# KiCad board adatv2.kicad_pcb (continued)
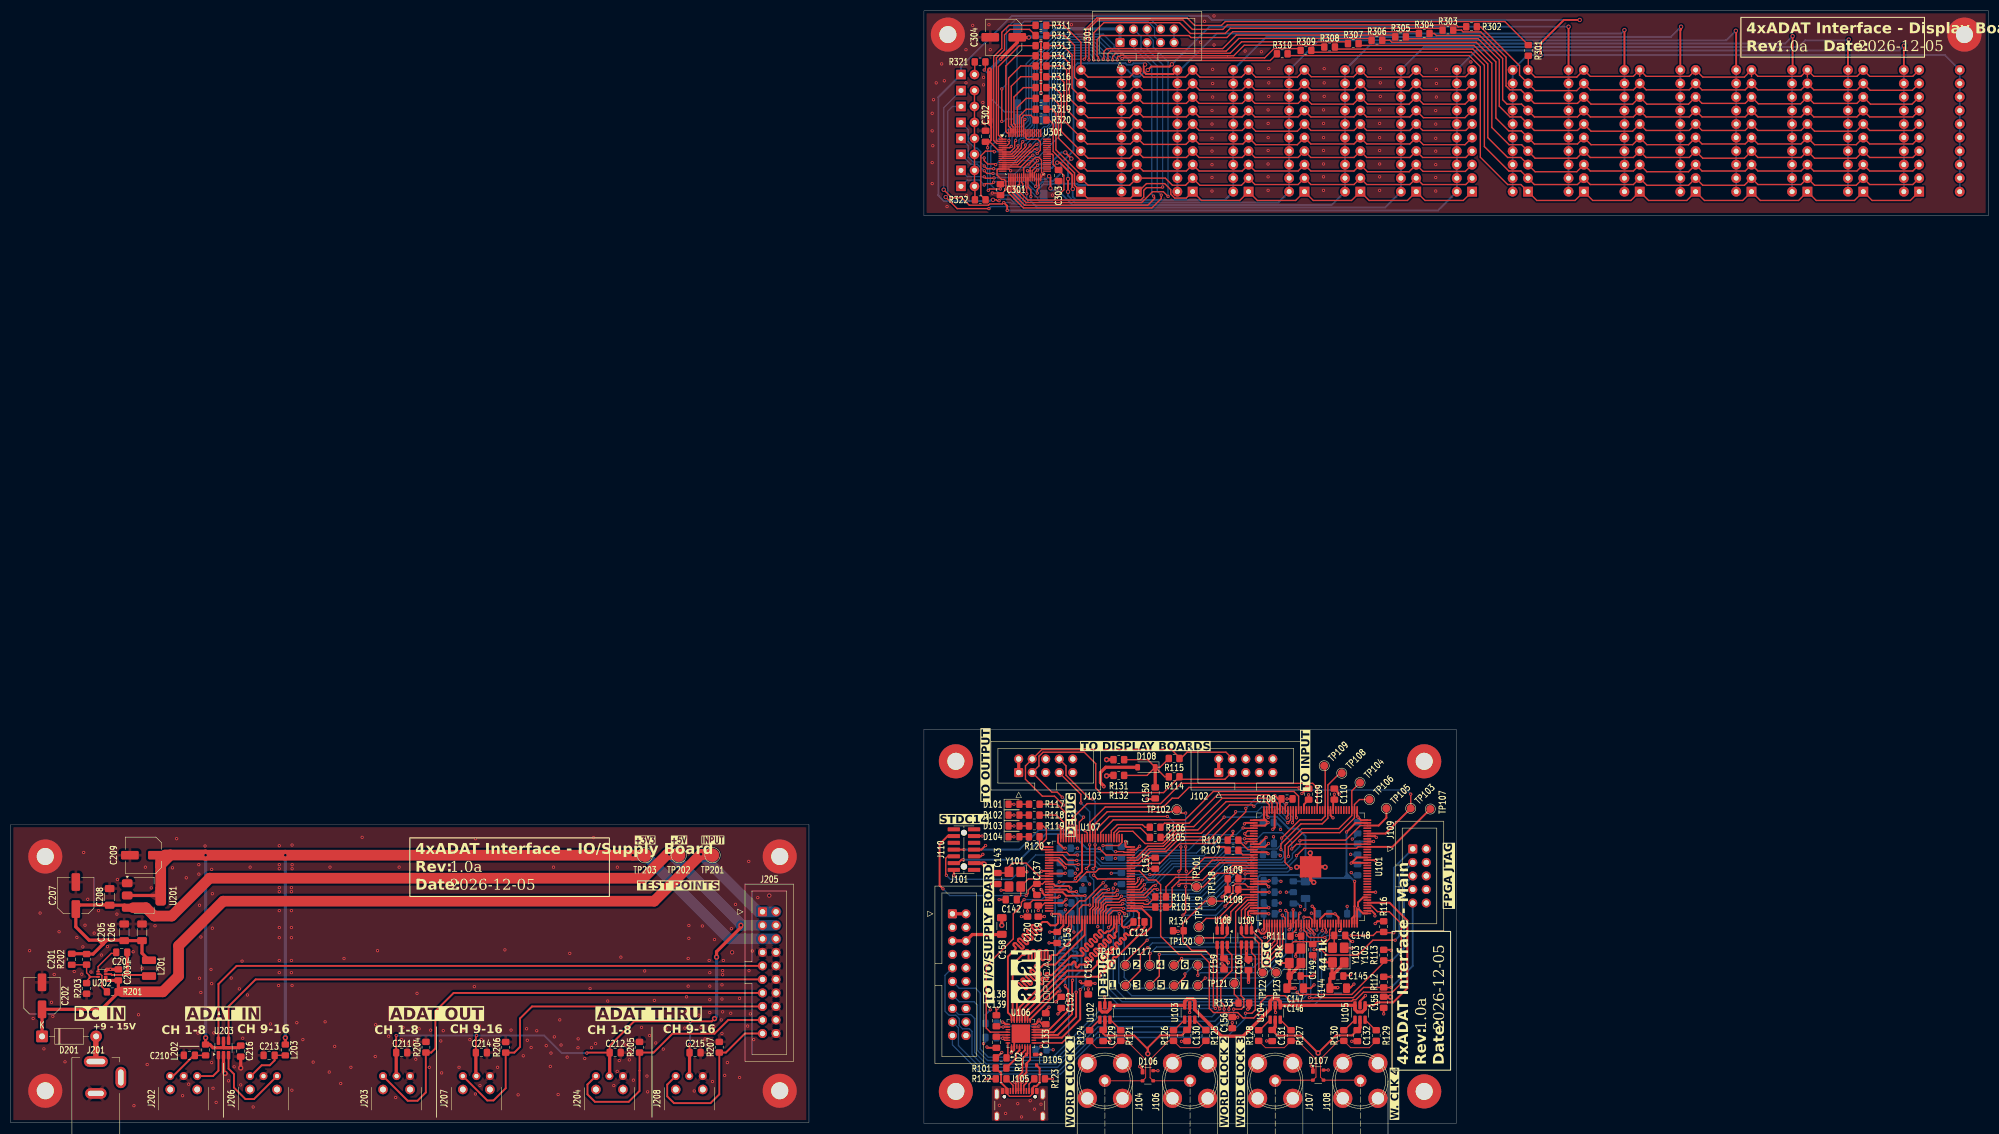
[diagram p0: board, top side]
## Routing (per net, layer and track width the routed paths; a pad name or vN(x,y) marks a point on that pad's centre or on a via; arc(x,y) is an arc through that point) (continued)
+3.3V_IO: length 223.8
  F.Cu (sig) w0.6: 41.07,14.21 39.99,14.21 U203.5 ; v3(36.63,16.08) L202.1 37.42,14.81 38.02,14.21 42.95,14.21 43.36,14.61 ; 21.9,42.8 U201.2 ; L203.1 v3(51.62,16.08) ; 28.2,47.36 27.48,48.07 C209.1
  F.Cu (sig) w1: 29.01,50.41 28.97,50.37 C209.1
  F.Cu (sig) w2: 30.02,50.41 28.24,48.63 28.2,48.63 U201.2 ; 30.02,50.41 36.59,50.41 v3(36.63,50.37) v3(51.62,50.37) v3(116.89,50.37) TP203.1 ; 30.02,50.41 29.01,50.41
  B.Cu (sig) w0.6: v3(36.63,16.08) v3(36.63,50.37) ; v3(51.62,16.08) v3(51.62,50.37)
  B.Cu (sig) w2: J205.6 J205.5 134.92,34.66 119.21,50.37 v3(116.89,50.37)
+5V: length 144.8
  F.Cu (sig) w0.25: v1(247.57,10.02) 247.57,10.01 D107.4 ; D106.4 v1(215.57,9.89)
  F.Cu (sig) w0.35: C130.1 220.03,16.54 215.99,16.54 213.66,14.21 v3(213.66,13.07) 213.66,13.96 211.12,16.5 205.66,16.5 205.28,16.88 C129.1 ; C132.1 252.04,16.52 248.99,16.52 v3(245.67,13.2) 242.37,16.5 238.05,16.5 237.03,17.51 C131.1
  F.Cu (sig) w0.6: R131.1 205.92,68.31 v3(205.92,68.31) ; 189.41,68.41 189.41,65.87 ; C129.1 205.6,17.85 U102.5 ; U105.5 253.54,18.02 C132.1 ; v3(205.92,65.26) 206.01,65.36 R132.1 ; U104.5 237.61,18.11 C131.1 ; 226.98,66 226.98,68.54 ; C130.1 221.54,18.04 U103.5
  In2.Cu (pwr) w2: 270.05,12.31 270.05,65.52 ; J101.4 J101.3 175.76,36.82 173.15,39.42 173.15,64.88
+5V_IO: length 289.2
  F.Cu (sig) w0.35: v1(127.56,14.84) 127.56,13.29 C215.1 ; v3(132.26,19.67) 131.75,19.16 v1(127.68,19.16) 117.14,19.16 112.55,14.57 C212.1 108.34,13.28 v1(108.25,13.19) ; C214.1 87.41,16.35 v1(87.55,16.5) ; v1(72.44,16.5) 72.44,16.49 C211.1
  F.Cu (sig) w0.6: 17.32,34.41 17.32,33.64 ; 17.32,34.41 18.08,34.41 ; 17.32,34.41 16.56,34.41 ; 17.32,33.64 17.32,33.65 ; 17.32,33.64 15.48,31.8 R202.1 14.21,31.86 C201.1 ; J203.2 72.44,8.94 72.44,13.16 ; 17.32,33.65 17.32,33.65 18.08,34.41 ; 17.32,33.65 16.56,34.41 ; 16.56,34.41 14.74,34.41 12.25,36.91 12.25,39.49 ; v3(137.21,37.2) 137.21,36.82 132.64,32.24 v3(132.64,31.23) ; J204.2 112.55,8.93 C212.1 ; C214.1 87.41,8.98 J207.2 ; 18.08,34.41 21.25,34.41 C205.1 C206.1 ; 24.68,34.36 24.68,31.96 L201.2 ; C207.1 13.01,41.01 18.3,41.01 18.34,40.97 21.43,40.97 21.9,40.5 23.04,40.5 ; C215.1 127.56,8.94 J208.2
  F.Cu (sig) w2: TP202.1 125.37,50.53 v3(123.75,50.53) 123.37,50.53 118.88,46.05 37.39,46.05 30.28,38.94 26.98,38.94 25.42,40.5 23.04,40.5
  B.Cu (sig) w0.35: v1(127.56,14.84) 127.68,14.97 v1(127.68,19.16) ; v3(132.26,19.67) 132.64,20.06 ; 132.64,31.22 v3(132.64,31.23) ; v1(108.25,13.19) 103.55,13.19 100.25,16.5 v1(87.55,16.5) v1(72.44,16.5)
  B.Cu (sig) w0.6: 132.64,20.06 132.64,31.22
  B.Cu (sig) w2: J205.4 J205.3 v3(137.21,37.2) 137.21,37.45 124.13,50.53 v3(123.75,50.53)
+12V: length 2.5
  F.Cu (sig) w0.6: J101.1 J101.2
+12V_IO: length 170.2
  F.Cu (sig) w0.6: 17.85,27.39 17.85,27.08 18.09,26.84 C203.1 20.24,24.71 ; 20.1,24.72 R201.1 20.1,24.44 17.07,21.42 C202.1 D201.1
  F.Cu (sig) w1: 20.96,24.71 R201.1
  F.Cu (sig) w2: TP201.1 131.72,50.53 v3(129.72,50.53) 120.92,41.73 39.93,41.73 31.55,33.35 31.55,27.67 28.59,24.71 20.96,24.71
  B.Cu (sig) w2: J205.2 140.51,39.74 v3(129.72,50.53)
GND: length 193.4
  F.Cu (sig) w0.25: U101.113 232.42,54.94 v1(231.89,54.41) 231.89,54.28 232.23,53.94 U101.115
  F.Cu (sig) w0.35: D105.1 193.45,12.92 v1(193.6,13.07) ; U101.96 241.5,57.5 v1(241.6,57.39) ; v1(251.76,27.93) 251.61,27.78 250.43,27.78 ; J110.11 v1(182.55,53.96) ; C153.2 195.14,33.87 v1(195.12,33.9) ; v1(221.54,20.81) U103.2 ; v1(252.02,32.88) 251.93,32.96 250.49,32.96 ; U101.83 248,57.85 v1(248.46,57.39) ; U107.94 199.81,55.37 199.44,55.74 v1(199.44,55.99) ; C132.2 252.01,15.44 v1(251.99,15.42) ; 244.65,31.97 244.65,31.23 v1(245.03,30.85) ; v1(212.14,52.06) 211.49,51.41 U107.74 ; U101.133 235.9,44.94 v1(236.4,44.44) ; v1(252.4,26.15) 251.74,25.49 250.96,25.49 ; J110.7 182.42,51.42 v1(183.18,52.18) ; U102.2 205.6,23.67 v1(205.53,23.74) ; C110.2 249.35,62.24 249.35,62.09 v1(249.6,61.84) ; v1(240.22,36.36) 240.5,36.63 U101.11 ; v1(212.52,36.31) 213.05,36.84 C121.2 ; v1(212.14,10.65) 212.68,10.11 D106.1 ; C151.2 v1(202.49,25.26) ; v1(182.68,50.53) 182.29,50.15 181.02,50.15 ; R122.2 v1(183.31,8.37) ; v1(213.66,49.52) 214.04,49.9 C157.2 ; v1(256.46,49.39) 256.42,49.44 U101.57 ; Y101.4 186.91,43.8 v1(186.1,43.8) ; v1(252.14,34.15) 251.91,34.15 C148.2 ; v1(244.9,27.93) 244.65,27.67 C147.2 ; v1(244.38,10.78) 244.68,10.48 D107.1 ; v1(241.45,31.39) 241.45,31.86 Y103.2 ; v1(244.55,40.78) 244.55,40.78 245,40.34 U101.20 ; U101.119 235.71,51.94 v1(236.33,52.56) ; v1(185.34,21.58) 185.22,21.45 C138.2 ; R123.2 v1(195.76,8.37) ; C108.2 v1(239.82,60.95) ; U107.10 193.77,47.41 v1(193.72,47.36) ; U101.104 237.5,55.57 v1(237.16,55.23) ; v1(231.82,56.25) 232.01,56.44 U101.110 ; v1(244.9,26.02) 244.27,25.39 C146.2 ; D101.1 v1(188.52,59.93) ; Y101.2 v1(190.93,47.23) ; v1(196.9,55.87) 197.31,55.46 U107.99 ; D102.1 v1(188.52,57.9) ; U101.30 250,36.45 v1(249.73,36.18) ; v1(256.39,37.53) 256.82,37.96 R116.2 ; U101.45 256.45,43.44 v1(256.46,43.42) ; v1(237.67,20.81) 237.61,20.88 U104.2 ; C152.2 197.41,21.19 v1(196.77,20.56) ; 188.56,15.6 U106.2 188.56,13.8 v1(188.01,13.24) 188.01,13.59 188.06,13.65 U106.1 ; D103.1 v1(188.52,55.87) ; v1(195.12,21.83) 194.49,21.19 194.49,20.69 ; C120.2 189.94,38.83 v1(189.91,38.85) ; 192.96,42.89 192.56,43.29 192.56,43.31 192.2,43.67 v1(192.2,43.93) ; v1(242.62,61.96) 243.53,62.87 C109.2 ; v1(194.23,38.85) 194.21,38.83 C119.2 ; C156.2 v1(229.54,18.91) ; J110.2 v1(177.21,46.59) ; v1(256.59,53.71) 256.36,53.94 U101.66 ; v1(254.56,23.99) 254.21,23.64 254.21,23.61 253.54,22.94 U105.2 ; v1(195.59,39.31) 195.64,39.36 197.05,39.36 197.31,39.1 U107.27 ; v1(206.55,15.48) 205.3,15.48 C129.2 ; C130.2 220.03,15.46 v1(219.99,15.42) ; 215.06,60.91 213.57,60.91 v1(213.54,60.95) ; C155.2 v1(257.99,20.56) ; v1(197.03,42.66) 196.77,42.41 U107.20 ; v1(235.99,15.48) 236.01,15.46 C131.2 ; U101.38 255.72,39.94 256.33,39.32 v1(256.33,38.97) ; C139.2 183.59,14.19 v1(183.44,14.34) ; R102.1 185.22,12.31 v1(186.23,13.32) ; C142.2 v1(185.72,42.02) ; D104.1 v1(188.52,53.83) ; U101.143 232.78,39.94 232.51,39.67 232.51,39.18 v1(232.84,38.84) ; C143.2 v1(184.33,44.94)
  F.Cu (sig) w0.6: v3(244.85,45.26) 244.76,45.26 244.25,45.77 U101.145 ; v1(227.63,29.96) 227.99,29.6 C159.2 ; U101.145 246.91,48.19 v3(246.98,48.12) ; U101.145 244.25,50.73 v3(244.19,50.79) ; U101.145 241.71,48.19 v3(241.65,48.12) ; v1(232.46,21.45) 232.71,21.7 R133.1 ; v3(186.23,37.2) 186.23,38.47 186.1,38.59 ; v1(232.59,26.53) 232.59,28.16 ; U109.2 v1(232.2,37.45) ; 218.4,36.05 v1(219.34,36.05) ; U108.2 227.68,36.25 227.68,38.14 v1(228.45,38.9)
  B.Cu (sig) w0.35: v1(238.56,50.28) 238.3,50.53 C105.2 ; v1(242.37,40.75) 241.81,41.3 C116.2 ; C122.2 207.67,49.88 v1(207.57,49.77) ; 237.5,43.42 v1(238.56,43.42) ; v1(237.29,53.83) 237.37,53.75 C106.2 ; v1(182.8,14.97) 183.16,15.33 C135.2 ; C111.2 253.08,54.26 252.21,53.39 v1(252.09,53.39) ; v1(198.3,41.01) 198.93,41.01 199.31,41.39 ; C134.2 v1(195.88,13.83) ; 199.31,39.36 199.31,37.32 199.69,36.94 199.69,36.01 v1(199.78,35.93) ; 237.5,41.39 v1(238.56,41.39) ; v1(205.79,44.56) 204.26,43.04 C127.2 ; v1(238.68,45.45) 238.56,45.58 237.5,45.58 ; v1(243.13,40.12) 243.3,40.29 C128.2 ; C114.2 v1(251.13,40.75) ; v1(184.07,21.32) 183.16,20.41 C136.2 ; v1(207.19,44.18) 207.06,44.06 207.06,42.7 C140.2 ; C115.2 244.52,39.36 v1(244.4,39.48) ; C123.2 v1(200.46,51.68) ; 237.5,39.36 237.92,39.36 v1(238.56,39.99) ; C112.2 251.81,50.49 v1(251.76,50.53) ; C113.2 252.4,46.59 v1(251.89,47.1) ; v1(207.57,44.94) C126.2 ; v1(205.15,49.77) 205.26,49.88 206.68,49.88 ; C107.2 237.79,56.5 238.61,55.69 v1(238.61,55.21) ; v1(200.04,46.98) C125.2 ; v1(202.74,44.94) 201.72,45.96 C154.2 ; v1(200.46,47.74) C124.2
  vias: v1(185.77,3.39) v1(186.94,1.87) v1(189.23,3.69) v1(189.94,1.21) v1(191.56,4.25) v1(192.38,2.68) v1(193.6,3.59)
GND_IO: length 8.2
  F.Cu (sig) w0.6: 17.85,28.69 18.08,28.92 v1(18.72,28.92) C203.2 ; v3(40.31,9.38) 39.99,9.7 39.99,12.81 ; C216.2 v3(43.23,10.4)
  vias: v1(3.56,32.44) v1(4.22,19.69) v1(5.54,39.5) v1(6.25,14) v1(7.67,22.73) v1(7.93,20.09) v1(8.18,27.97) v1(9.1,35.99) v1(10.21,11.56) v1(11.94,28.53) v1(12.45,34.93) v1(13.36,28.02) v1(13.57,33.15) v1(13.72,50.88) v1(13.97,37.21) v1(14.48,42.09) v1(15.09,28.42) v1(15.7,35.74) v1(16.51,39.96) v1(17.07,31.61) v1(18.19,33.2) v1(19.97,39.29) v1(20.07,45.8) v1(23.02,32.23) v1(23.17,3.33) v1(24.03,20.4) v1(24.69,29.13) v1(25.32,48.12) v1(25.66,11.05) v1(26.42,44.22) v1(27.13,37.11) v1(30.4,47.99) v1(31.19,53.47) v1(32.31,5.19) v1(33,46.12) v1(33.45,7.35) v1(35.21,16.94) v1(35.36,48.59) v1(35.36,46.81) v1(35.49,40.97) v1(35.49,27.25) v1(35.74,35) v1(35.74,24.59) v1(36.53,52.1) v1(37.65,28.91) v1(37.77,47.7) v1(37.77,26.24) v1(37.77,11.42) v1(37.9,43.13) v1(37.9,36.65) v1(38.02,6.59) v1(38.15,16.99) v1(38.61,3.94) v1(40.94,7.99) v1(41.45,27.29) v1(42,10.62) v1(42.97,25.26) v1(43.08,21.46) v1(43.23,7.22) v1(43.48,30.47) v1(43.61,15.99) v1(44.5,24.12) v1(45,48.12) v1(45.57,3.07) v1(48.82,18.67) v1(50.34,25.89) v1(50.47,52.15) v1(50.47,48.59) v1(50.47,47.83) v1(50.47,44.27) v1(50.47,43.51) v1(50.47,39.96) v1(50.47,36.78) v1(50.47,34.88) v1(50.47,30.59) v1(50.47,28.31) v1(52.76,44.27) v1(52.76,43.51) v1(52.76,39.96) v1(52.76,36.78) v1(52.76,34.88) v1(52.75,30.59) v1(52.75,28.31) v1(52.84,6.22) v1(52.89,52.27) v1(52.89,48.59) v1(52.89,47.83) v1(52.88,25.89) v1(53.77,18.91) v1(54.91,15.73) v1(56.85,11.51) v1(59.08,19.08) v1(59.87,9.64) v1(60,48.12) v1(60.88,14.46) v1(62.03,7.48) v1(62.64,30.96) v1(63.93,10.53) v1(66.04,53.72) v1(68.5,12.56) v1(68.58,18.52) v1(68.94,32.44) v1(71.04,16.37) v1(72.34,4.85) v1(73,48.12) v1(73.45,15.73) v1(73.71,18.02) v1(74.72,14.97) v1(75.87,15.23) v1(76.12,12.05) v1(76.36,24.41) v1(76.76,17.77) v1(78.66,10.53) v1(78.92,17.51) v1(80.82,15.48) v1(80.98,9.47) v1(81.28,17.4) v1(84.25,10.53) v1(85.01,17.51) v1(86.28,15.73) v1(87.13,25.68) v1(87.33,53.47) v1(87.33,5.51) v1(88,48.12) v1(88.06,18.27) v1(88.19,7.1) v1(88.44,15.73) v1(91.23,15.61) v1(91.49,10.53) v1(91.74,17.64) v1(92.87,32.59) v1(94.03,17.51) v1(95.35,5.36) v1(96.31,12.69) v1(96.95,17.77) v1(97.08,15.61) v1(97.79,14.25) v1(98.86,17.38) v1(100.63,14.59) v1(101.4,10.69) v1(101.52,13.19) v1(102,48.12) v1(102.16,16.24) v1(102.87,5.41) v1(103.18,19.43) v1(103.43,14.72) v1(104.57,12.43) v1(105.06,31.93) v1(106.63,15.88) v1(106.6,14.21) v1(107.87,12.18) v1(108.87,25.32) v1(109.14,14.21) v1(109.53,53.67) v1(109.9,14.97) v1(112.19,22.97) v1(113.33,7.1) v1(114,48.12) v1(113.97,9.76) v1(114.35,11.8) v1(114.66,31.22) v1(115.49,14.72) v1(116.25,11.92) v1(116.38,13.45) v1(117.02,8.11) v1(118.54,18.02) v1(119.13,28.63) v1(119.56,8.88) v1(119.69,5.92) v1(120.06,16.5) v1(120.95,23.1) v1(121.21,15.1) v1(122.63,13.95) v1(123.11,17.77) v1(126.67,17.89) v1(127,23.75) v1(127.1,21.06) v1(127.3,30.97) v1(127.3,25.77) v1(127.44,37.16) v1(127.44,34.75) v1(128.45,6.08) v1(129.34,20.31) v1(129.72,18.02) v1(129.97,37.07) v1(130.48,15.86) v1(131.24,30.59) v1(131.37,28.31) v1(131.37,25.77) v1(131.37,23.23) v1(131.37,20.81) v1(131.88,7.86) v1(132.13,18.15) v1(132.26,34.53) v1(133.53,19.42) v1(133.65,26.02) v1(133.65,23.35) v1(133.65,16.88) v1(133.78,28.69) v1(133.78,27.93) v1(133.78,20.94) v1(133.91,30.59) v1(134.16,9) v1(134.67,11.42) v1(135.3,20.69) v1(135.43,36.56) v1(136.19,41.13) v1(136.96,23.48) v1(136.96,8.61) v1(138.48,18.27) v1(138.69,49.2) v1(138.73,28.69) v1(138.99,20.56) v1(139.37,32.37) v1(139.62,15.73) v1(140.38,42.4) v2(135.56,32.12) v2(142.54,42.78)
/Display board/COM0: length 311.3
  F.Cu (sig) w0.25: v1(190.29,175.37) 190.17,175.5 190.17,176.52 189.95,176.74 U301.23 ; v2(184.58,173.47) 185.22,173.47 185.38,173.3 v1(185.72,173.3)
  F.Cu (sig) w0.35: v2(287.45,200.65) 287.45,202.86 291.84,207.25 v2(294.82,207.25)
  B.Cu (sig) w0.25: v1(185.72,173.3) 186.02,173.59 187.86,173.59 188.38,173.07 189.83,173.07 190.29,173.54 v1(190.29,175.37)
  B.Cu (sig) w0.35: BAR301.20 BAR301.11 363.44,200.65 285.01,200.65 BAR309.11 BAR309.20 ; v2(294.82,207.25) 225.73,207.25 224.97,208.01 188.14,208.01 178.56,198.44 D301.1 174.29,192.73 174.29,174.3 175.38,173.22 183.95,173.22 184.2,173.47 v2(184.58,173.47)
/Display board/COM1: length 265.5
  F.Cu (sig) w0.25: v1(190.93,174.61) 190.9,174.64 190.9,175.62 190.75,175.78 U301.25 ; v1(186.61,172.96) 186.34,172.69 183.96,172.69 183.76,172.49 183.73,172.49 183.69,172.45 180.13,172.45 178.74,173.85 176.83,173.85 v2(175.31,175.37)
  F.Cu (sig) w0.35: v1(187.25,171.48) 187.25,172.32 v1(186.61,172.96) ; BAR302.11 v2(355.72,202.42)
  B.Cu (sig) w0.25: D302.1 175.31,190.75 v2(175.31,175.37) ; v1(190.93,174.61) 190.93,173.64 189.98,172.7 188.13,172.7 187.86,172.96 v1(186.61,172.96)
  B.Cu (sig) w0.35: v1(187.25,171.48) 268.2,171.48 BAR310.20 BAR310.11 275.4,201.53 354.83,201.53 v2(355.72,202.42) ; BAR302.11 BAR302.20
/Display board/COM2: length 251.2
  F.Cu (sig) w0.25: v2(175.69,173.98) 177.85,171.82 v1(183.82,171.82) ; U301.26 191.15,175.92 191.69,175.37 v1(191.69,174.1)
  F.Cu (sig) w0.35: BAR303.11 345.22,203.43 v2(345.36,203.57)
  B.Cu (sig) w0.25: v1(183.82,171.82) 184.2,172.2 190.17,172.2 191.69,173.72 v1(191.69,174.1) ; D303.1 176.97,191 176.07,190.1 176.07,174.36 v2(175.69,173.98)
  B.Cu (sig) w0.35: BAR303.11 BAR303.20 ; v2(345.36,203.57) 345.24,203.44 337.23,203.44 335.96,202.17 265.53,202.17 BAR311.11 BAR311.20 258.23,172.01 192.89,172.01 191.69,173.21 v1(191.69,174.1)
/Display board/COM3: length 229
  F.Cu (sig) w0.25: 191.55,178.93 U301.27 ; 191.55,178.93 v1(191.06,178.93) ; 191.55,178.93 191.55,179.42 v1(192.95,180.82) ; v1(182.93,181.34) 182.93,180.83 183.56,180.2 184.96,180.2 v1(185.09,180.07)
  F.Cu (sig) w0.35: BAR304.11 334.82,197.96 v2(334.82,204.2) ; v2(195.38,175.63) 195.38,177.66 v2(195.12,177.91)
  B.Cu (sig) w0.25: D304.1 179.93,186.64 179.93,184.47 181.22,183.18 181.59,183.18 182.28,182.49 182.28,181.51 182.26,181.5 182.42,181.34 v1(182.93,181.34) ; v1(192.95,180.82) 192.85,180.82 192.43,181.24 191.82,181.24 191.47,181.6 186.61,181.6 v1(185.09,180.07)
  B.Cu (sig) w0.35: v2(195.38,175.63) 195.38,175.37 195.5,175.25 196.77,175.25 199.53,172.49 248.21,172.49 BAR312.20 BAR312.11 255.67,202.81 333.42,202.81 v2(334.82,204.2) ; BAR304.11 BAR304.20 ; v2(195.12,177.91) 194.55,177.34 192.64,177.34 v1(191.06,178.93)
/Display board/COM4: length 219.8
  F.Cu (sig) w0.25: v1(184.71,179.31) 183.44,179.31 v1(182.93,179.82) ; v1(192.96,179.94) 191.95,178.93 U301.28
  F.Cu (sig) w0.35: BAR305.11 324.22,205.15 v2(324.15,205.22) ; v2(199.31,181.22) v2(198.17,182.36) ; v2(198.68,174.99) v2(198.68,177.41)
  B.Cu (sig) w0.25: D305.1 179.93,183.64 179.93,181.51 180.88,180.55 182.19,180.55 v1(182.93,179.82) ; v1(192.96,179.94) 192.07,180.83 188.9,180.83 188.68,180.61 188.68,180.58 187.41,179.31 v1(184.71,179.31)
  B.Cu (sig) w0.35: BAR305.11 BAR305.20 ; v2(324.15,205.22) 322.38,203.44 245.8,203.44 BAR313.11 BAR313.20 238.19,172.97 199.95,172.97 198.68,174.25 v2(198.68,174.99) ; v2(198.68,177.41) 198.68,180.58 v2(199.31,181.22) ; v1(192.96,179.94) 193.22,180.2 195.25,180.2 197.41,182.36 v2(198.17,182.36)
/Display board/COM5: length 203
  F.Cu (sig) w0.25: U301.29 192.35,178.57 192.84,179.06 v1(192.96,179.06) ; v1(182.93,178.93) 183.44,178.42 v1(184.58,178.42)
  F.Cu (sig) w0.35: BAR306.11 313.72,205.33 313.87,205.47 v2(313.87,205.98) ; v2(196.65,180.45) 197.16,180.45 199.47,178.14 199.47,175.59 v2(199.57,175.5)
  B.Cu (sig) w0.25: v1(182.93,178.93) 182.59,179.26 182.55,179.22 181.59,180.18 180.38,180.18 D306.1 ; v1(192.96,179.06) 192.45,179.56 189.91,179.56 188.67,178.32 184.68,178.32 v1(184.58,178.42)
  B.Cu (sig) w0.35: v2(313.87,205.98) 311.96,204.07 235.94,204.07 BAR314.11 BAR314.20 228.17,173.45 200.15,173.45 199.57,174.03 v2(199.57,175.5) ; BAR306.11 BAR306.20 ; v2(196.65,180.45) 195.63,179.44 193.38,179.44 193.23,179.29 193.19,179.29 v1(192.96,179.06)
/Display board/COM6: length 206.4
  F.Cu (sig) w0.25: v1(192.58,176.01) 192.75,176.18 U301.30 ; v1(184.77,177.6) 184.71,177.53 183.18,177.53 v1(182.93,177.79)
  F.Cu (sig) w0.35: v2(303.22,205.34) BAR307.11 ; BAR315.11 218.46,197.1 213.35,197.1 212.9,197.54 212.9,198.61 v2(213.16,198.87)
  B.Cu (sig) w0.25: v1(192.58,176.01) 190.93,177.66 185.09,177.66 185.03,177.6 v1(184.77,177.6) ; v1(182.93,177.79) 182.62,177.79 182.59,177.82 179.74,177.82 D307.1
  B.Cu (sig) w0.35: v1(192.58,176.01) 193.01,176.01 193.87,176.87 195.43,176.87 195.53,176.96 195.82,176.96 197.4,178.54 197.4,180.4 199.69,182.69 199.69,198.36 200.44,199.11 202.33,199.11 202.34,199.1 208.19,199.1 208.2,199.11 209.46,199.11 209.73,198.85 210.72,198.85 210.98,199.11 212.91,199.11 v2(213.16,198.87) ; BAR315.20 BAR315.11 219.77,197.86 226.62,204.71 302.59,204.71 v2(303.22,205.34) ; BAR307.11 BAR307.20
/Display board/COM7: length 181.5
  F.Cu (sig) w0.25: v1(192.9,174.74) 192.9,175.44 193.22,175.75 193.22,176.19 193.15,176.25 U301.31 ; v1(182.93,176.26) 183.18,176.52 184.43,176.52 v1(184.7,176.78)
  F.Cu (sig) w0.35: v2(292.72,205.98) BAR308.11 ; v2(218.19,198.91) 217.76,198.49 214.3,198.49 v2(213.66,197.85)
  B.Cu (sig) w0.25: v1(182.93,176.26) 182.93,176.29 182.92,176.28 182.01,177.18 179.74,177.18 D308.1 ; v1(184.7,176.78) 184.82,176.9 190.67,176.9 192.12,175.45 192.18,175.45 v1(192.9,174.74)
  B.Cu (sig) w0.35: v2(292.72,205.98) 225.26,205.98 v2(218.19,198.91) ; 208.72,176.64 208.72,176.26 ; 208.72,176.64 BAR316.11 209.83,197.86 211.08,196.61 212.12,196.61 212.85,197.34 213.15,197.34 v2(213.66,197.85) ; 208.72,176.64 208.34,176.26 ; 208.72,176.26 BAR316.20 208.72,175.88 208.34,176.26 ; 208.72,176.26 208.33,176.26 ; BAR308.11 BAR308.20 ; 208.33,176.26 200.61,176.26 200.39,176.49 195.73,176.49 195.63,176.39 194.07,176.39 192.9,175.22 v1(192.9,174.74) ; 208.33,176.26 208.34,176.26 ; BAR316.19 208.72,178.41
/Display board/DISPLAY_VCC: length 88.1
  F.Cu (sig) w0.25: C301.1 v1(185.98,175.5) 183.94,175.5 v1(183.69,175.25) ; 183.33,184.33 184,184.33 185.48,182.85 U301.6 ; v1(196.77,174.23) 197.9,175.36 197.9,178.08 C303.1 195.88,180.09 195.88,181.85 195.68,182.05 U301.41 ; v1(183.56,183.25) 183.56,183.99 C302.1 ; v1(189.41,176.13) 189.55,176.28 U301.22
  F.Cu (sig) w0.35: 184.23,187.03 184.23,188.32 183.94,188.61 ; 184.23,187.03 184.23,184.69 183.91,184.37 C302.1 ; 184.23,187.03 184.23,187.28 183.94,187.56 183.94,187.95
  F.Cu (sig) w0.6: v1(185.98,199.88) 189.14,203.05 C304.1 189.19,203.95 v2(191.31,203.95)
  F.Cu (sig) w1: v1(183.94,197.85) 183.94,187.95
  B.Cu (sig) w0.25: v1(183.56,183.25) 183.56,175.37 v1(183.69,175.25) ; v1(185.98,175.5) 186,175.53 186,175.65 186.48,176.13 v1(189.41,176.13) 190.65,176.13 192.96,173.82 192.96,173.49 193.38,173.07 195.62,173.07 v1(196.77,174.23)
  B.Cu (sig) w0.6: v2(191.31,203.95) 191.44,204.07 194.87,204.07 196.37,205.58 208.4,205.58 J301.2 J301.1 ; v1(185.98,199.88) v1(183.94,197.85)
/Display board/LED0: length 88.1
  F.Cu (sig) w0.25: BAR304.10 325.76,196.52 317.94,196.52 BAR305.10 ; BAR304.10 328.3,196.66 336.4,196.66 BAR303.10 ; BAR304.10 327.1,196.62 ; BAR306.10 306.1,196.67 ; BAR306.10 304.9,196.66 296.8,196.66 BAR307.10 294.26,196.52 286.44,196.52 BAR308.10 285.16,197.92 R301.2 ; BAR306.10 307.3,196.66 315.4,196.66 BAR305.10 ; BAR301.10 357.4,196.66 349.3,196.66 BAR302.10 346.9,196.66 338.8,196.66 BAR303.10 ; BAR305.10 316.6,196.96 ; BAR303.10 337.6,196.52
/Display board/LED1: length 95.7
  F.Cu (sig) w0.25: BAR301.9 357.32,194.04 349.38,194.04 BAR302.9 346.9,194.12 338.8,194.12 BAR303.9 336.4,194.12 328.3,194.12 BAR304.9 325.9,194.12 317.8,194.12 BAR305.9 315.4,194.12 307.3,194.12 BAR306.9 304.9,194.12 296.8,194.12 BAR307.9 294.26,193.98 286.44,193.98 BAR308.9 283.51,196.91 283.51,198.65 276.19,205.98 R302.2
/Display board/LED2: length 103.3
  F.Cu (sig) w0.25: R303.2 272.62,205.34 272.62,205.31 272.92,205 276.23,205 280.97,200.26 280.97,194.87 281.72,194.12 283.76,194.12 BAR308.8 286.3,191.58 294.4,191.58 BAR307.8 296.94,191.44 304.76,191.44 BAR306.8 307.44,191.44 315.26,191.44 BAR305.8 317.8,191.58 325.9,191.58 BAR304.8 328.38,191.5 336.32,191.5 BAR303.8 338.8,191.58 346.9,191.58 BAR302.8 349.44,191.44 357.26,191.44 BAR301.8
/Display board/LED3: length 109.5
  F.Cu (sig) w0.25: R304.2 267.51,204.71 267.89,204.33 276.02,204.33 280.34,200.01 280.34,192.27 281.17,191.44 283.9,191.44 BAR308.7 286.3,189.04 294.4,189.04 BAR307.7 296.8,189.04 304.9,189.04 BAR306.7 307.3,189.04 315.4,189.04 BAR305.7 317.8,189.04 325.9,189.04 BAR304.7 328.3,189.04 336.4,189.04 BAR303.7 338.8,189.04 346.9,189.04 BAR302.7 349.3,189.04 357.4,189.04 BAR301.7
/Display board/LED4: length 115.5
  F.Cu (sig) w0.25: R305.2 262.5,203.73 275.73,203.73 279.7,199.76 279.7,191.06 281.72,189.04 283.76,189.04 BAR308.6 286.3,186.5 294.4,186.5 BAR307.6 296.94,186.36 304.76,186.36 BAR306.6 307.3,186.5 315.4,186.5 BAR305.6 317.8,186.5 325.9,186.5 BAR304.6 328.3,186.5 336.4,186.5 BAR303.6 338.94,186.36 346.76,186.36 BAR302.6 349.3,186.5 357.4,186.5 BAR301.6
/Display board/LED5: length 121.9
  F.Cu (sig) w0.25: R306.2 259.13,203.44 259.51,203.06 275.38,203.06 279.07,199.38 279.07,188.84 281.48,186.42 283.84,186.42 BAR308.5 286.3,183.96 294.4,183.96 BAR307.5 296.94,183.82 304.76,183.82 BAR306.5 307.44,183.82 315.26,183.82 BAR305.5 317.8,183.96 325.9,183.96 BAR304.5 328.3,183.96 336.4,183.96 BAR303.5 338.94,183.82 346.76,183.82 BAR302.5 349.3,183.96 357.4,183.96 BAR301.5
/Display board/LED6: length 128.1
  F.Cu (sig) w0.25: R307.2 253.61,202.46 274.96,202.46 278.31,199.12 278.31,187.06 281.54,183.82 283.9,183.82 BAR308.4 286.44,181.28 294.26,181.28 BAR307.4 296.8,181.42 304.9,181.42 BAR306.4 307.3,181.42 315.4,181.42 BAR305.4 317.94,181.28 325.76,181.28 BAR304.4 328.3,181.42 336.4,181.42 BAR303.4 338.94,181.28 346.76,181.28 BAR302.4 349.3,181.42 357.4,181.42 BAR301.4
/Display board/LED7: length 134.2
  F.Cu (sig) w0.25: R308.2 249.21,201.79 274.75,201.79 277.54,199 277.54,185.15 281.28,181.42 283.76,181.42 BAR308.3 286.44,178.74 294.26,178.74 BAR307.3 296.8,178.88 304.9,178.88 BAR306.3 307.44,178.74 315.26,178.74 BAR305.3 317.8,178.88 325.9,178.88 BAR304.3 328.3,178.88 336.4,178.88 BAR303.3 338.8,178.88 346.9,178.88 BAR302.3 349.3,178.88 357.4,178.88 BAR301.3
/Display board/LED8: length 140.4
  F.Cu (sig) w0.25: BAR301.2 357.4,176.34 349.3,176.34 BAR302.2 346.76,176.2 338.94,176.2 BAR303.2 336.4,176.34 328.3,176.34 BAR304.2 325.76,176.2 317.94,176.2 BAR305.2 315.26,176.2 307.44,176.2 BAR306.2 304.9,176.34 296.8,176.34 BAR307.2 294.4,176.34 286.3,176.34 BAR308.2 283.76,178.88 281.5,178.88 276.91,183.47 276.91,198.74 274.46,201.19 244.72,201.19 R309.2
/Display board/LED9: length 149
  F.Cu (sig) w0.25: R310.2 240.28,200.56 274.05,200.56 276.15,198.46 276.15,181.47 281.28,176.34 283.76,176.34 BAR308.1 286.76,173.34 293.94,173.34 BAR307.1 297.26,173.34 304.44,173.34 BAR306.1 307.76,173.34 314.94,173.34 BAR305.1 318.26,173.34 325.44,173.34 BAR304.1 328.76,173.34 335.94,173.34 BAR303.1 339.26,173.34 346.44,173.34 BAR302.1 349.76,173.34 356.94,173.34 BAR301.1
/Display board/LED10: length 94.2
  F.Cu (sig) w0.25: R311.2 197.91,206.23 201.1,203.05 BAR316.10 202.44,196.52 210.26,196.52 BAR315.10 212.94,196.52 220.76,196.52 BAR314.10 223.44,196.52 231.26,196.52 BAR313.10 233.94,196.52 241.76,196.52 BAR312.10 244.38,196.58 252.32,196.58 BAR311.10 254.94,196.52 262.76,196.52 BAR310.10 265.35,196.61 273.35,196.61 BAR309.10
/Display board/LED11: length 94.5
  F.Cu (sig) w0.25: R312.2 198.04,204.33 199.9,202.47 199.9,196.52 BAR316.9 202.44,193.98 210.26,193.98 BAR315.9 212.8,194.12 220.9,194.12 BAR314.9 223.38,194.04 231.32,194.04 BAR313.9 233.8,194.12 241.9,194.12 BAR312.9 244.3,194.12 252.4,194.12 BAR311.9 254.94,193.98 262.76,193.98 BAR310.9 265.3,194.12 273.4,194.12 BAR309.9
/Display board/LED12: length 95
  F.Cu (sig) w0.25: R313.2 197.72,202.42 199.44,200.71 199.44,194.44 BAR316.8 202.3,191.58 210.4,191.58 BAR315.8 212.8,191.58 220.9,191.58 BAR314.8 223.3,191.58 231.4,191.58 BAR313.8 233.8,191.58 241.9,191.58 BAR312.8 244.44,191.44 252.26,191.44 BAR311.8 254.94,191.44 262.76,191.44 BAR310.8 265.44,191.44 273.26,191.44 BAR309.8
/Display board/LED13: length 95.4
  F.Cu (sig) w0.25: BAR309.7 273.26,188.9 265.44,188.9 BAR310.7 262.9,189.04 254.8,189.04 BAR311.7 252.4,189.04 244.3,189.04 BAR312.7 241.9,189.04 233.8,189.04 BAR313.7 231.4,189.04 223.3,189.04 BAR314.7 220.9,189.04 212.8,189.04 BAR315.7 210.26,188.9 202.44,188.9 BAR316.7 201.1,190.35 198.93,192.52 198.93,199.12 197.53,200.52 R314.2
/Display board/LED14: length 96.2
  F.Cu (sig) w0.25: R315.2 197.66,198.61 198.42,197.85 198.42,190.41 201.1,187.73 BAR316.6 202.44,186.36 210.26,186.36 BAR315.6 212.88,186.42 220.82,186.42 BAR314.6 223.3,186.5 231.4,186.5 BAR313.6 233.94,186.36 241.76,186.36 BAR312.6 244.3,186.5 252.4,186.5 BAR311.6 254.8,186.5 262.9,186.5 BAR310.6 265.3,186.5 273.4,186.5 BAR309.6
/Display board/LED15: length 96.3
  F.Cu (sig) w0.25: BAR309.5 273.26,183.82 265.44,183.82 BAR310.5 262.9,183.96 254.8,183.96 BAR311.5 252.4,183.96 244.3,183.96 BAR312.5 241.76,183.82 233.94,183.82 BAR313.5 232.6,185.04 231.52,183.96 223.3,183.96 BAR314.5 220.82,183.88 212.88,183.88 BAR315.5 210.4,183.96 202.3,183.96 BAR316.5 197.91,188.35 197.91,195.57 196.9,196.58 R316.2